# KiCad board lb_mp1.kicad_pcb (continued)
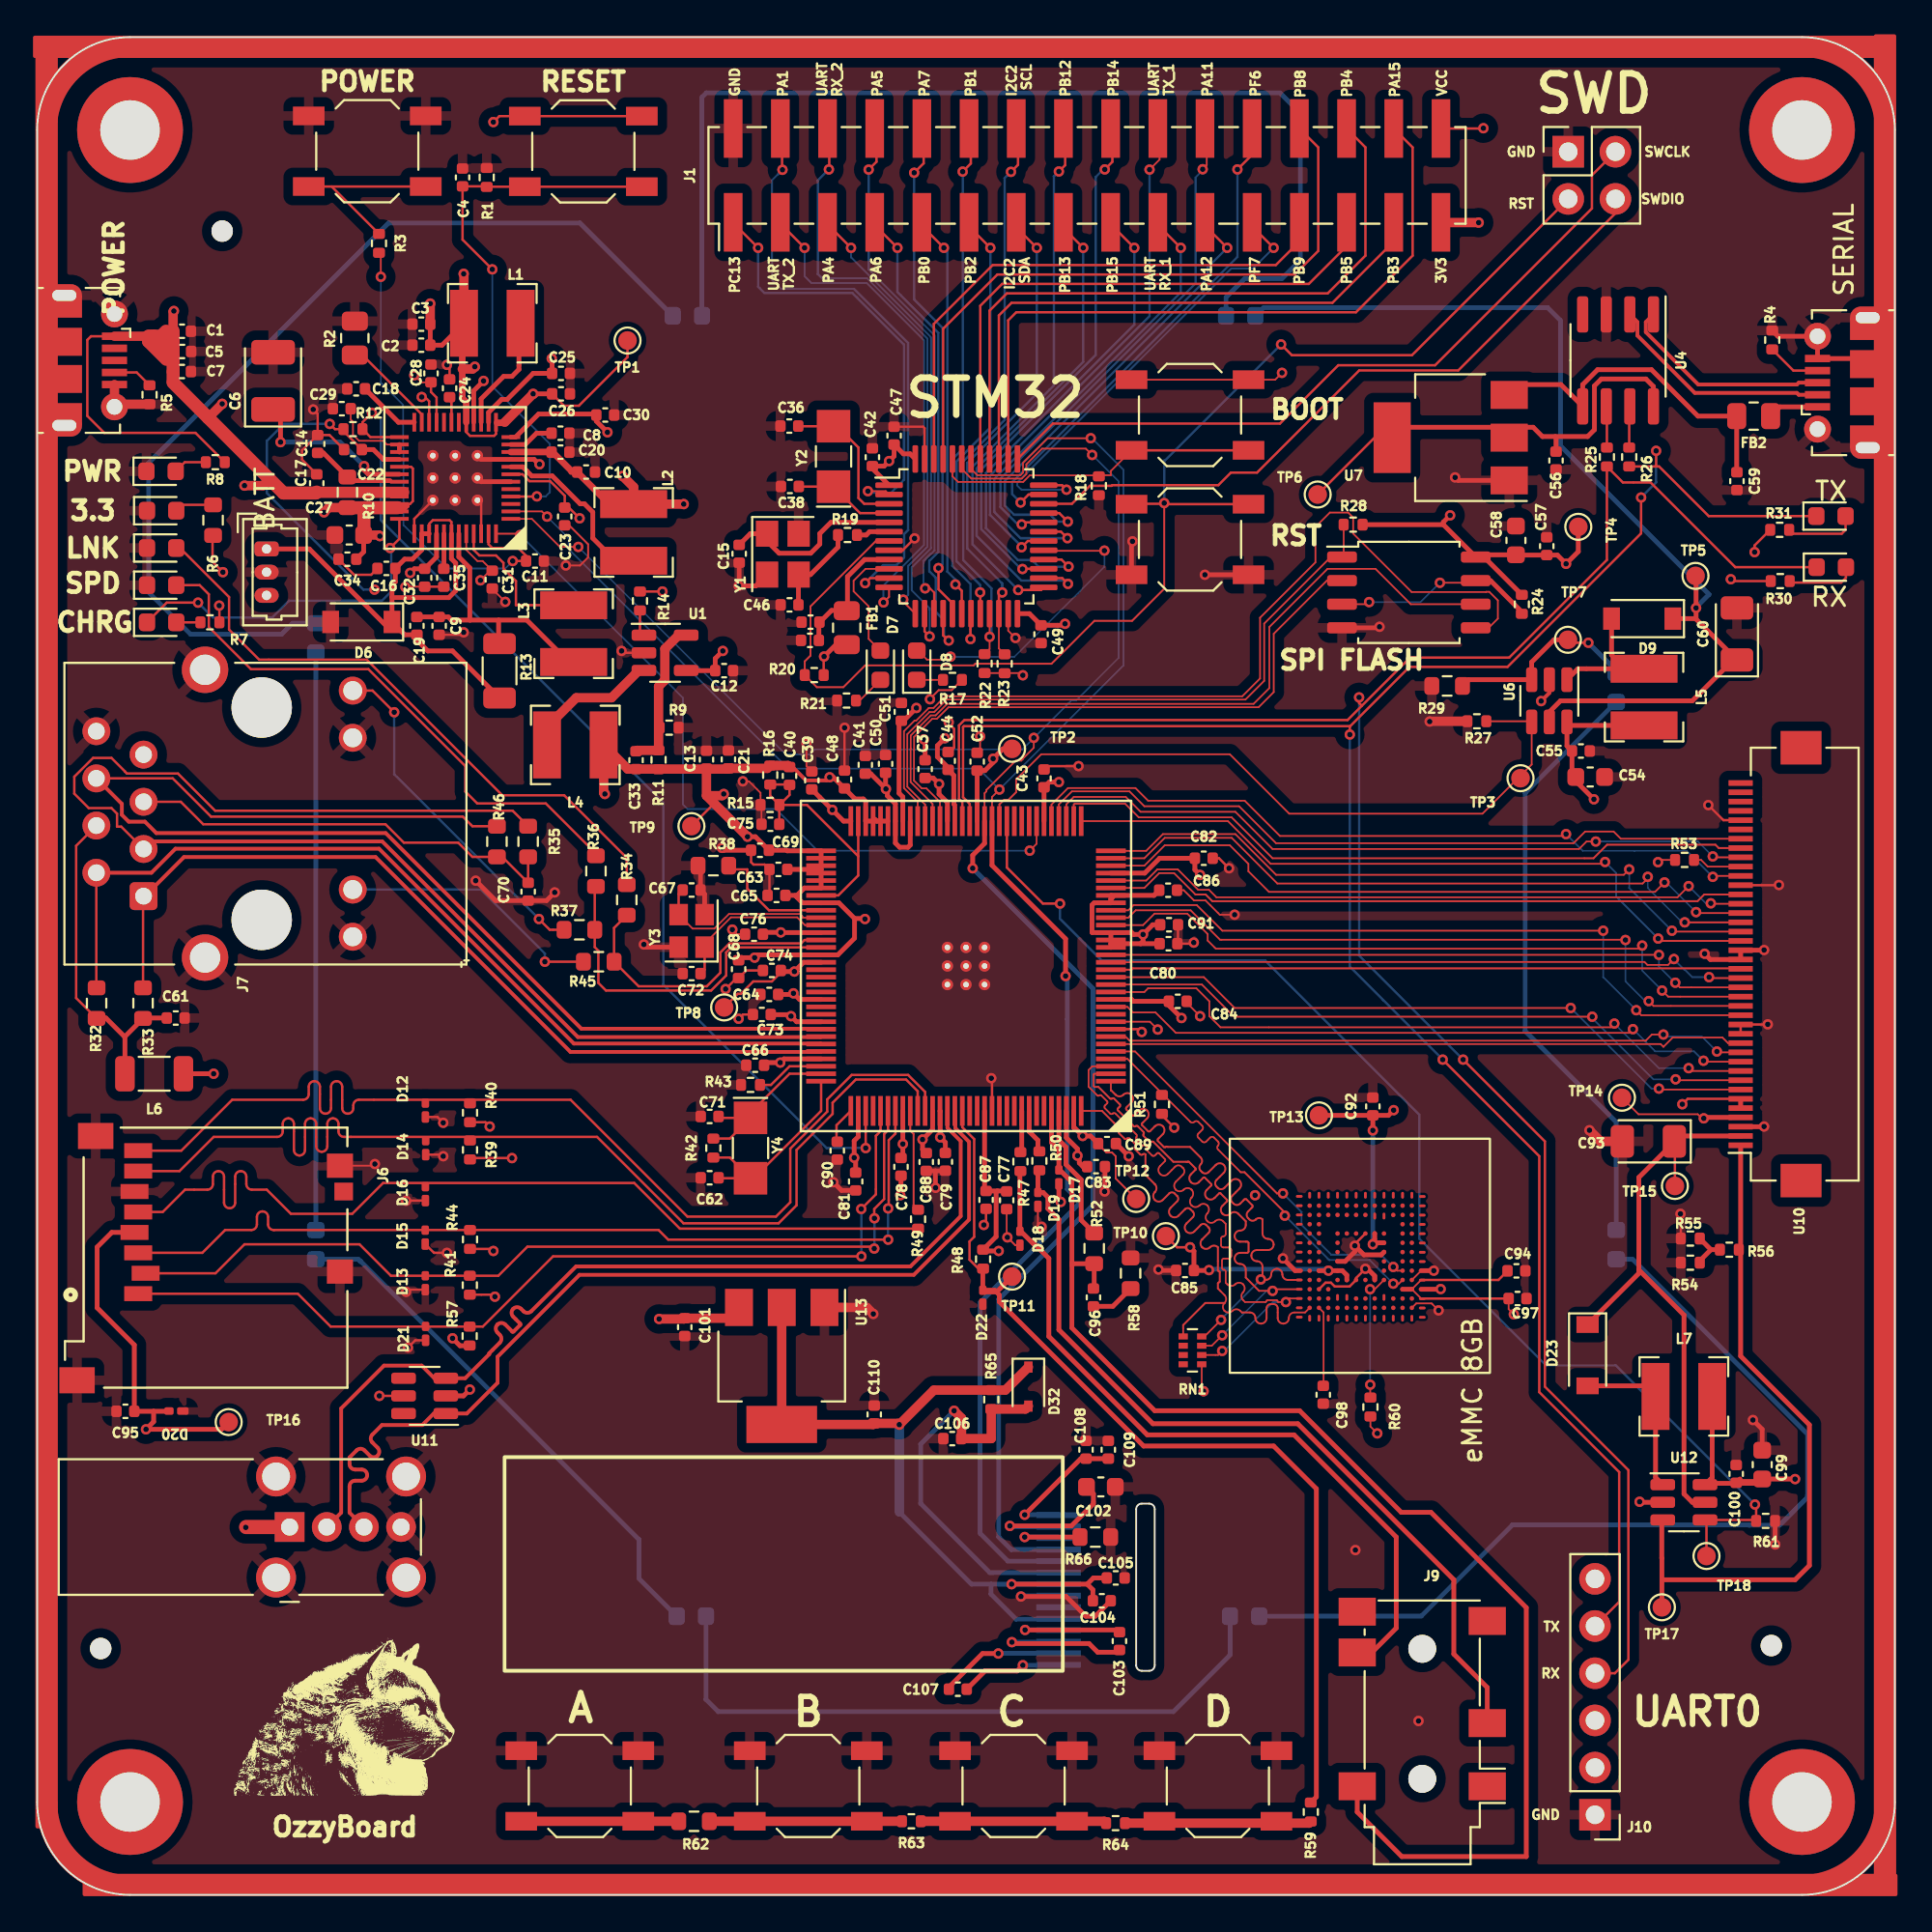
[diagram p0: board, top side]
## Routing (per net, layer and track width the routed paths; a pad name or vN(x,y) marks a point on that pad's centre or on a via; arc(x,y) is an arc through that point) (continued)
VDD: length 68.1
  Top w0.127: C22.2 16.49,78.79 R12.2 16.03,78.9 v1(15.75,79.18)
  Top w0.254: C81.1 44.06,39.6 v1(43.98,39.68) 43.98,40.59 44.2,40.81 U8.98 ; C22.2 18.1,77.8 18.63,77.27 U2.28
  Power plane w0.127: v1(43.98,39.68) 36.74,39.68 18.16,58.26 v1(18.16,70.26)
  Bottom w0.127: v1(18.16,70.26) 17.56,70.26 12.36,75.46 12.36,78.26 13.28,79.18 v1(15.75,79.18)
+BATT: length 30.6
  Top w0.127: U2.42 22.3,73.9 22.2,74 21.3,74 21.1,73.8
  Top w0.254: U2.42 22.3,71.92 22.53,71.69 22.53,70.2 22.16,69.83 19.13,69.83 19.1,69.86 ; 19.1,69.86 19.1,70.5 19.28,70.68 C16.1 19.78,71.9 20.2,71.9 20.7,72.4 U2.38 U2.39 ; 19.1,69.86 D6.1 19.79,67.83 C19.1 20.44,67.55 21.03,66.96 22.36,66.96 R13.2 ; 18.8,68.3 14.65,72.45 J3.1
+VDC: length 40.9
  Top w0.127: J4.1 2.9,83.9 2.7,83.7 2.7,79.61 3.61,78.7 8.52,78.7 R8.1
  Top w0.5: v1(7.36,85.26) 7.32,85.22 C1.1 ; 9.21,79.51 v1(9.96,80.26) ; J4.1 6,83.9 ; 12.51,76.21 12.16,75.86 v1(11.16,75.86) ; 7.32,81.4 7.32,81.46
  Top w0.6: 15.09,75.5 19.73,75.5
  Top w0.7: C1.1 C7.1 7.32,81.46 ; 6.94,84.17 6.67,83.9 6.2,83.9 ; 6.2,83.9 6,83.9 6,83.62 6.96,82.66 ; 6.2,83.9 6.32,83.9 6.96,83.26 ; C17.2 15,75.46 13.26,75.46 7.32,81.4
/Connections/EPHY-RXN: length 67.6
  Top w0.127: 24.75,57.52 23.43,57.52 22.92,58.04 9.36,58.04 7.3,60.1 J7.6
  Top w0.2: J7.6 4.56,58.73 4.56,58.14 4.93,57.77 5.8,57.77 6.41,57.16 18.76,57.16 29.29,46.63 42.17,46.63 U8.89
/Connections/EPHY-RXP: length 73.7
  Top w0.127: J7.3 4.53,57.5 4.3,57.5 4.3,58.2 4,58.5 2.78,58.5 2,59.28 2,60.19 3.01,61.2 4,61.2 4.72,60.48 4.72,60.47 4.83,60.36 7.58,60.36 9.58,58.36 25.59,58.36 26.43,57.52
  Top w0.2: U8.90 42.17,46.17 29.11,46.17 18.58,56.7 6.13,56.7 J7.3
/Connections/EPHY-TXN: length 50.1
  Top w0.127: J7.2 3.19,48.84 R32.2
  Top w0.2: U8.91 42.17,45.83 28.89,45.83 18.4,56.31 7.45,56.31 6.15,55.02 J7.2
/Connections/EPHY-TXP: length 46.6
  Top w0.09: J7.1 5.8,53.76
  Top w0.127: R33.2 5.7,53.73 J7.1
  Top w0.2: U8.92 42.17,45.37 28.71,45.37 18.22,55.86 7.91,55.86 5.8,53.76
/Connections/UD+: length 11.6
  Top w0.2: J5.3 94.82,81.4 94.72,81.3 89.42,81.3 86.6,84.12 86.6,84.67 U4.1
/Connections/UD-: length 12.3
  Top w0.2: 85.74,85.07 86.14,84.67 86.14,83.94 89.23,80.85 94.72,80.85 94.82,80.75 J5.2
/Connections/USB-D+: length 52.6
  Top w0.2: U8.111 49.43,42.17 49.43,41.27 50.16,40.53 50.16,36.35 47.19,33.38 29.19,33.38 24.78,28.97 24.78,27.56 23.13,25.91 U11.1 21.35,25.91 20.73,25.29 18.56,25.29 18.05,24.77 arc(17.96,24.56) 18.05,24.35 18.33,24.07 arc(18.42,23.86) 18.33,23.64 arc(18.12,23.56) 17.9,23.64 17.62,23.93 arc(17.41,24.01) 17.2,23.93 16.82,23.55 16.82,23.2 arc(16.9,22.98) 17.12,22.9 17.47,22.9 arc(17.68,22.81) 17.77,22.6 arc(17.68,22.38) 17.47,22.3 17.12,22.3 arc(16.9,22.21) 16.82,22 16.82,20.57 J8.3
/Connections/USB-D-: length 53.4
  Top w0.2: U8.110 49,41.29 49.72,40.57 49.72,36.53 47.01,33.83 29.01,33.83 26.6,31.42 arc(26.39,31.33) 26.18,31.42 26.05,31.55 arc(25.84,31.64) 25.62,31.55 arc(25.54,31.34) 25.62,31.12 26,30.75 arc(26.01,30.71) 26,30.68 25.65,30.32 arc(25.61,30.31) 25.58,30.32 25.2,30.7 arc(24.99,30.79) 24.78,30.7 arc(24.69,30.49) 24.78,30.27 24.9,30.15 arc(24.99,29.93) 24.9,29.72 24.34,29.15 24.34,29.1 23.04,27.81 U11.3 21.38,27.81 20.7,28.49 18.67,28.49 16.36,26.18 16.36,20.57 J8.2
/STM32/PA1: length 32.8
  Top w0.127: v1(40.12,92.86) 40.1,92.88 40.1,95.06 ; U3.11 44.84,70.88 v1(44.57,70.61)
  Bottom w0.1: 39.86,92.6 39.56,92.3 39.56,86.93 40.04,86.45 43.97,86.45
  Bottom w0.127: v1(44.57,70.61) 45.54,71.58 46.26,71.58 46.67,71.99 46.67,73.25 46.88,73.46 46.88,83.54 43.97,86.45 ; 39.86,92.6 v1(40.12,92.86)
/STM32/PA4: length 26.7
  Top w0.127: v1(48.04,67.74) 47.77,68.01 U3.14 ; 42.64,90 42.64,89.83 v1(43.81,88.66)
  Bottom w0.1: v1(48.04,67.74) 48.04,69.26 47.08,70.22 47.08,71.46 48.12,72.49 48.12,83.85 43.81,88.15 v1(43.81,88.66)
/STM32/PA5: length 28.5
  Top w0.1: v1(47.8,70.33) 48.06,70.33 48.29,70.1
  Top w0.127: 48.29,70.1 48.29,68.99 U3.15 ; v1(44.76,92.87) 45.18,93.29 45.18,95.06
  Bottom w0.1: 47.7,70.43 v1(47.8,70.33) 47.71,70.42 47.71,71.8 ; 44.76,87.49 48.31,83.94 48.31,72.38 48.11,72.18 48.09,72.18
  Bottom w0.127: 44.76,87.49 v1(44.76,92.87) ; 47.71,71.8 48.09,72.18
/STM32/PA6: length 26.1
  Top w0.127: v1(49.07,67.52) 49.05,67.52 48.77,67.8 U3.16 ; v1(46.31,88.66) 45.18,89.79 45.18,90
  Bottom w0.127: v1(46.31,88.66) 46.31,86.28 48.51,84.08 48.51,72.29 48.03,71.81 48.03,71.24 48.37,70.9 48.37,69.06 48.81,68.62 48.81,67.78 v1(49.07,67.52)
/STM32/PA7: length 27.3
  Top w0.127: v1(47.21,92.7) 47.72,93.21 47.72,95.06 ; v1(48.52,71.42) 48.52,70.28 49.27,69.53 U3.17
  Bottom w0.127: v1(47.21,92.7) 47.21,85.88 48.73,84.36 48.73,71.63 v1(48.52,71.42)
/STM32/PA11: length 27.7
  Top w0.09: 62.96,95.06 62.96,93.11 v1(62.74,92.89)
  Top w0.127: U3.32 53.11,73.88 v1(53,73.77)
  Bottom w0.09: 52.78,73.77 v1(53,73.77) ; v1(62.74,92.89) 62.74,92.83 62.36,92.45
  Bottom w0.127: 62.36,92.45 62.36,86.75 51.85,76.24 51.85,74.7 52.78,73.77
/STM32/PA12: length 25.9
  Top w0.127: 62.96,90 62.96,89.76 v1(64.06,88.66) ; v1(55.48,73.92) 55.02,74.38 U3.33
  Bottom w0.127: v1(55.48,73.92) 54.91,73.92 54.54,74.29 52.59,74.29 52.09,74.79 52.09,76.11 63.01,87.03 63.01,87.61 v1(64.06,88.66)
/STM32/PA15: length 37.9
  Top w0.127: U3.38 52.27,84.76 52.71,85.19 70.99,85.19 74.04,88.24 74.04,94.07 J1.30
/STM32/PB0: length 21.9
  Top w0.127: v1(49.43,70.54) 49.77,70.2 U3.18 ; v1(48.81,88.66) 47.72,89.75 47.72,90
  Bottom w0.127: v1(49.43,70.54) 49.43,70.8 48.99,71.24 48.99,88.48 v1(48.81,88.66)
/STM32/PB1: length 29.6
  Top w0.127: v1(49.82,92.76) 50.26,93.2 50.26,95.06 ; 50.24,68.94 v1(50.24,67.6)
  Bottom w0.127: v1(50.24,67.6) 50.24,70.56 49.27,71.53 49.27,77.28 49.82,77.83 v1(49.82,92.76)
/STM32/PB2: length 22.8
  Top w0.127: v1(51.31,88.66) 50.26,89.71 50.26,90 ; v1(50.76,70.11) 50.77,70.1 U3.20
  Bottom w0.127: v1(50.76,70.11) 50.76,70.52 49.49,71.79 49.49,77.16 51.31,78.98 v1(51.31,88.66)
/STM32/PB3: length 31.7
  Top w0.127: 73.03,90.03 73.03,89 69.72,85.7 52.45,85.7 51.77,85.02 U3.39
/STM32/PB4: length 36.7
  Top w0.127: J1.28 71.5,94.07 71.5,88.24 69.47,86.21 52.2,86.21 51.27,85.28 U3.40
/STM32/PB5: length 30.6
  Top w0.127: U3.41 50.77,85.54 51.94,86.72 68.45,86.72 70.49,88.75 70.49,90.03
/STM32/PB8: length 35.9
  Top w0.127: J1.26 68.96,94.07 68.96,88.49 67.69,87.22 51.69,87.22 48.77,84.3 U3.45
/STM32/PB9: length 29.8
  Top w0.127: 67.95,90.03 67.95,89 66.68,87.73 51.44,87.73 48.27,84.57 U3.46
/STM32/PB12: length 29.3
  Top w0.127: U3.25 54.04,70.24 v1(52.81,70.24) ; v1(55,92.77) 55.34,93.11 55.34,95.06
  Bottom w0.127: v1(55,92.77) 54.73,92.5 54.73,81.25 50.35,76.88 50.35,72.7 v1(52.81,70.24)
/STM32/PB13: length 27.1
  Top w0.127: v1(56.31,88.66) 55.34,89.63 55.34,90 ; U3.26 55.18,70.88 v1(55.49,70.57)
  Bottom w0.127: v1(56.31,88.66) 56.31,82.53 50.57,76.79 50.57,73.16 52.98,70.75 55.31,70.75 v1(55.49,70.57)
/STM32/PB14: length 28.7
  Top w0.127: v1(53.04,71.37) 53.05,71.38 U3.27 ; v1(57.47,92.88) 57.88,93.29 57.88,95.06
  Bottom w0.127: 57.39,92.88 56.98,92.47 56.98,82.89 50.82,76.73 50.82,73.52 52.97,71.37 v1(53.04,71.37)
/STM32/PB15: length 27
  Top w0.127: U3.28 55.14,71.88 v1(55.52,71.5) ; v1(59.06,88.66) 57.88,89.84 57.88,90
  Bottom w0.127: v1(59.06,88.66) 59.06,84.52 51.07,76.53 51.07,73.57 52.79,71.86 53.54,71.86 53.9,71.5 v1(55.52,71.5)
/STM32/PC13: length 23.8
  Top w0.1: U3.2 45.68,75.56 v1(44.72,75.56)
  Top w0.127: 37.56,89.91 v1(38.81,88.66)
  Bottom w0.1: v1(44.72,75.56) 44.81,75.47 45.96,75.47
  Bottom w0.127: 45.96,75.47 46.67,76.18 46.67,83.45 43.88,86.23 39.15,86.23 38.81,86.57 v1(38.81,88.66)
/STM32/PF6: length 27.1
  Top w0.127: v1(64.61,92.88) 65.5,93.77 65.5,95.06 ; U3.35 53.37,75.38 v1(52.94,74.95)
  Bottom w0.127: v1(52.94,74.95) 52.49,75.4 52.49,76.05 64.61,88.17 v1(64.61,92.88)
/STM32/PF7: length 25.1
  Top w0.127: v1(66.56,88.66) 65.5,89.72 65.5,90 ; U3.36 55.17,75.88 v1(55.41,75.64)
  Bottom w0.1: v1(66.56,88.66) 65.45,87.55 64.27,87.55 52.76,76.03 52.76,75.86 52.98,75.64 v1(55.41,75.64)
ACT_LED: length 6.5
  Top w0.09: D7.2 44.76,67.61 44.76,69.36 43.95,70.17 43.95,70.74 44.59,71.38 U3.10
I2C2_SCL: length 31.5
  Top w0.09: R22.1 51.27,67.06 v1(51.27,67.72) U3.21
  Top w0.127: 52.8,95.06 52.8,93.13 v1(52.42,92.75)
  Bottom w0.127: v1(51.27,67.72) 51.37,67.82 51.37,70.33 49.85,71.85 49.85,77.17 52.08,79.4 52.08,92.41 v1(52.42,92.75)
I2C2_SDA: length 26.2
  Top w0.09: R23.1 51.77,67.09 U3.22
  Top w0.127: U3.22 51.77,69.93 v1(51.95,70.11) ; 52.8,90 52.8,89.67 v1(53.81,88.66)
  Bottom w0.127: v1(53.81,88.66) 53.81,80.82 50.07,77.08 50.07,72.47 51.95,70.59 v1(51.95,70.11)
LADC: length 52.2
  Top w0.127: 51.7,32.39 51.06,32.39 D22.1 ; 51.7,32.39 51.8,32.3 ; 51.7,32.39 51.7,32.5 ; U8.112 49.8,41.32 50.44,40.68 50.44,35.42 50.19,35.17 50.19,34.19 50.67,33.71 R48.2
  Top w0.254: 51.7,32.5 TP11.1 ; R59.1 68.86,5.27 68.86,21.86 66.56,24.16 59.56,24.16 51.8,31.92 51.8,32.3 ; 51.75,32.34 51.55,32.55 D22.1 50.91,33.69 R48.2
LNK_LED: length 16.2
  Top w0.127: U8.77 41.31,51.4 41.13,51.22 37.27,51.22 36.78,50.73 36.78,49.64 36.05,48.91 32.38,48.91 31.06,50.23 31.06,52.05 R34.2
N_Oe: length 30.3
  Top w0.09: 24.17,91.97 R1.2 24.21,91.95
  Top w0.127: v1(24.5,87.5) 22.9,89.1 C4.2 24.17,91.97 ; SW1.1 SW1.1 24.21,91.95 ; v1(26.9,75.28) 26.89,75.27 U2.4
  Bottom w0.09: v1(24.5,87.5) 24.5,81.2
  Bottom w0.1: 24.5,81.2 27.6,78.1 27.6,75.5 27.38,75.28 v1(26.9,75.28)
NMI: length 40.9
  Top w0.09: v1(53.43,56.21) 53.8,56.58 U8.39 ; v1(26,73.2) 25.93,73.27 U2.48
  Bottom w0.09: v1(53.43,56.21) 42,56.21 39.76,58.45 35.01,58.45 34.76,58.7 34.76,64.44 v1(26,73.2)
NRST: length 72.6
  Top w0.1: v1(60.67,74.92) 60.67,70.31 58.94,68.58 56.91,68.58 54.6,66.27 50.5,66.27 50.41,66.18 44.57,66.18 43.4,65.01 41.97,65.01 R20.1 41.32,66.4 41.63,66.71 41.63,69.36 45.15,72.88 U3.7
  Top w0.127: v1(66.96,83.46) 67.54,82.88 74.01,82.88 J2.3 ; SW3.1 60.73,74.86 v1(60.67,74.92) 60.63,74.88 58.94,74.88
  Bottom w0.09: 60.67,77.22 60.72,77.22
  Bottom w0.127: 60.72,77.22 v1(66.96,83.46) ; 60.67,77.22 v1(60.67,74.92)
OSC32_IN: length 8.5
  Top w0.127: Y2.2 40.98,79.05 C36.1 ; Y2.2 43.06,79.05 44.21,77.91 44.21,75.19 44.52,74.88 U3.3 ; Y2.2 43.12,79.05
OSC32_OUT: length 5.5
  Top w0.127: C38.1 41.01,75.8 Y2.1 44.3,74.38 U3.4
OSC_IN: length 10
  Top w0.254: C15.1 38.39,73.27 Y1.1 39.29,72.87 39.94,72.22 41.64,72.22 42.13,72.71 42.13,73.28 42.73,73.88 U3.5
OSC_OUT: length 1.8
  Top w0.254: U3.6 44.81,73.38 44.63,73.2 R19.2
PWM0: length 66.9
  Top w0.127: 92.48,20.18 U12.4 89.86,20.1 TP18.1 ; R61.1 92.53,20.95 v1(92.47,21.01) ; v1(55.06,53.36) 54.14,53.36 52.2,55.3 U8.43
  Bottom w0.127: v1(92.47,21.01) 84.98,28.5 81.23,28.5 74.4,35.33 74.4,42 66.1,50.3 57.3,50.3 55.06,52.54 v1(55.06,53.36)
PWM1: length 38.2
  Top w0.09: R27.1 80.41,63.17 U6.4 80.45,60.85 77.8,58.2 67.4,58.2 64.2,61.4 54.05,61.4 52.7,60.05
  Top w0.1: 52.7,60.05 52.7,59.36 52.28,58.94 52.04,58.94 51.8,58.7 U8.44
PWM_CH1: length 16.5
  Top w0.09: v1(49.17,66.65) 49.01,66.49 47.9,66.49 47.41,66.98 D8.2 ; v1(57.45,72.36) 57.44,72.35 54.21,72.35 U3.29
  Bottom w0.09: v1(49.17,66.65) 49.17,66.64 52.6,66.64 57.45,71.49 v1(57.45,72.36)
Pwron: length 26
  Top w0.09: R3.2 18.5,88.29 v1(18.5,87.1)
  Top w0.127: U2.47 24.3,72.7 24.5,72.5 25.9,72.5 26.32,72.08 C11.2 v1(25.6,71.8)
  Bottom w0.09: v1(25.6,71.8) 25.2,71.4 22.05,71.4 19.72,73.73 19.72,77.88 ; v1(18.5,87.1) 18.5,81.4 19.7,80.2 19.7,77.9
reset: length 57.2
  Top w0.127: U2.25 17.94,78.47 R12.1 17.51,79.27 v1(18.02,79.78) ; v1(44.6,40.2) U8.99
  Bottom w0.127: v1(18.02,79.78) 18.19,79.78 18.5,79.47 18.5,74 33.7,58.8 33.7,49 42.5,40.2 v1(44.6,40.2)
scl: length 112.8
  Top w0.09: v1(51.8,59.5) 51.4,59.1 U8.45 ; U2.2 27.17,74.47 27.45,74.19 v1(27.45,74.19) ; v1(56.71,78.41) 54.4,78.41 53.07,77.08 53.07,76.56 52.93,76.42 50.61,76.42 50.27,76.76 U3.42
  Top w0.254: v1(55.36,49.46) 55.36,51.46 51.4,55.42 U8.45
  Bottom w0.09: v1(56.71,78.41) 56.78,78.41 58.48,76.71 58.48,66.18 v1(51.8,59.5) 50.67,60.63 40.43,60.63 28.61,72.45 28.61,73.03 v1(27.45,74.19)
  Bottom w0.254: v1(55.36,49.46) 55.45,49.37 55.45,37.99 56.16,37.28 50.76,31.88 50.76,19.46 52.25,17.97 U14.10
sda: length 113.4
  Top w0.09: v1(56.79,77.51) 56.45,77.85 54.09,77.85 53.25,77.01 53.25,76.48 53.01,76.24 50.29,76.24 49.77,76.76 U3.43 ; U8.46 51,59.3 51.1,59.4 51.1,59.48 52.68,61.05 52.97,61.05 53.05,61.13 53.05,61.15 53.65,61.75 v1(53.65,62.28) ; v1(29.13,72.56) 28.14,72.56 26.63,74.07 U2.1
  Top w0.254: U8.46 51,56.6 50.36,55.96 v1(50.36,55.26)
  Bottom w0.09: v1(56.79,77.51) 56.8,77.51 58.22,76.09 58.22,66.59 55.94,64.3 55.68,64.3 v1(53.65,62.28) 53.03,61.66 41.86,61.66 41.58,61.38 40.31,61.38 v1(29.13,72.56)
  Bottom w0.254: v1(50.36,55.26) 56.83,48.79 56.83,37.13 51.76,32.06 51.76,19.26 52.44,18.59 54.98,18.59
SPD__LED: length 19.1
  Top w0.127: U8.78 37.36,51 37.09,50.73 37.09,49.49 36.28,48.68 30.62,48.68 30.21,49.09 30.21,50.82 30.02,51.02 30.02,54.22 R36.2
SWCLK: length 40.1
  Top w0.127: J2.2 83.69,92.57 83.69,90.78 75.25,82.34 70.04,82.34 66.9,79.2 54.68,79.2 U3.37
SWDIO: length 38
  Top w0.127: J2.4 84.96,90.52 76.5,82.06 71.17,82.06 65.67,76.56 64.26,76.56 63.58,75.88 57.87,75.88 57.84,75.85 56.67,75.85 55.7,74.88 U3.34
USART1_RX: length 57.2
  Top w0.09: U8.9 59.9,47 v1(60.32,46.58)
  Top w0.127: v1(61.56,88.66) 60.42,89.8 60.42,90 ; U3.31 55.11,73.38 v1(55.46,73.03)
  Ground plance w0.09: v1(55.46,73.03) 60.1,68.39 60.1,46.6
  Bottom w0.127: v1(61.56,88.66) 61.56,86.26 51.53,76.23 51.53,74.44 52.94,73.03 v1(55.46,73.03)
USART1_TX: length 60
  Top w0.09: v1(59.88,92.87) 60.42,93.41 60.42,95.06
  Top w0.127: v1(52.99,72.54) 53.33,72.88 U3.30 ; v1(59.46,46.45) 59.31,46.6 U8.8
  Ground plance w0.09: 59.3,46.6 59.06,46.84 59.06,68.89 55.41,72.54 v1(52.99,72.54)
  Bottom w0.09: 52.99,72.58 v1(52.99,72.54)
  Bottom w0.127: 52.99,72.58 51.29,74.28 51.29,76.39 59.88,84.98 v1(59.88,92.87)
USART2_RX: length 31
  Top w0.1: U3.13 46.62,69.62 v1(46.62,69.72)
  Top w0.127: 42.64,95.06 42.64,92.9 v1(42.62,92.88)
  Bottom w0.1: v1(46.62,69.72) 46.89,69.99 46.89,71.54 47.18,71.83 47.19,71.83 47.93,72.57 47.93,83.77 44.67,87.02 42.25,87.02
  Bottom w0.127: v1(42.62,92.88) 42.02,92.28 42.02,87.25 42.25,87.02
USART2_TX: length 27.2
  Top w0.1: U3.12 45.86,69.87 v1(45.56,69.57)
  Top w0.127: v1(41.31,88.66) 40.1,89.87 40.1,90
  Bottom w0.1: v1(45.56,69.57) 45.56,70.48 47.74,72.66 47.74,83.69 44.65,86.77 41.67,86.77 41.31,87.13 v1(41.31,88.66)
Net-(C6-Pad1): length 9.2
  Top w0.254: U2.30 17.83,76.47 17.6,76.7 v1(17.6,76.91) ; v1(13.1,78.2) 13.1,79.56 C6.1
  Bottom w0.254: v1(13.1,78.2) 16.31,78.2 v1(17.6,76.91)
Net-(C8-Pad1): length 2.4
  Top w0.254: U2.11 26.27,78.07 26.88,78.68 C8.1
Net-(C14-Pad1): length 4.5
  Top w0.254: 18.99,76.13 16.9,76.13 R10.2 15.41,77.62 C14.1
Net-(C18-Pad2): length 3.4
  Top w0.254: U2.24 19.45,79.27 C18.2
Net-(C19-Pad2): length 15.6
  Top w0.254: L3.2 28.62,66.36 26.36,68.62 24.84,68.62 ; 24.84,68.62 24.84,67.4 R13.1 ; 24.84,68.62 23.3,68.62 ; C19.2 C9.1 22.13,68.79 22.3,68.62 23.3,68.62 ; 23.3,68.62 23.29,68.63 23.29,71.43 22.7,72.02 U2.43
Net-(C24-Pad2): length 2.7
  Top w0.09: 22.1,80.52 22.3,80.32 U2.19
  Top w0.127: U2.19 22.3,80.52 C24.2
Net-(C29-Pad1): length 4.6
  Top w0.09: C29.1 16.88,79.42 17,79.3 17,78.6 17.33,78.27 18.63,78.27 18.83,78.07 U2.26
  Top w0.254: U2.27 U2.26
Net-(C32-Pad2): length 1.9
  Top w0.254: C32.2 21.9,71.39 U2.41
Net-(C33-Pad2): length 8.3
  Top w0.5: U1.5 34.53,67.81 33.79,67.07 33.79,65.39 33.45,65.05 R11.2 32.29,61.61 C33.2
Net-(C40-Pad2): length 15.5
  Top w0.127: R15.1 41.44,58.67 44.2,55.91 ; R15.1 40.5,59.21 C40.2 40.48,59.77 R16.2 39.46,59.17 R15.1 ; R15.1 39.95,58.66 C75.1 ; 44.2,55.91 U8.63 ; 44.2,55.91 44.2,54.87 43.13,53.8 U8.71
Net-(C46-Pad1): length 5
  Top w0.254: C46.1 40.98,71.06 Y1.3 41.63,71.07 43.11,72.55 R19.1
Net-(C56-Pad1): length 24.5
  Top w0.127: 72.95,79 72.55,79 TP6.1
  Top w0.254: 72.95,79 80.53,79 81.03,78.5 81.72,78.5 ; C56.1 81.76,78.46 81.72,78.5 ; 81.72,78.5 83.46,78.5 83.83,78.87 83.83,81.23 84.2,81.6 86.6,81.6 87,81.19 U4.8
Net-(C59-Pad1): length 18.3
  Top w0.254: 79.25,81.3 82.02,81.3 U4.5 83.19,81.3 84,82.1 86.9,82.1 89.4,79.6 FB2.2 91.49,76.59 C59.1
Net-(C60-Pad1): length 54.5
  Top w0.254: U6.5 81.4,63.67 82,64.27 89.1,64.27 91.3,66.47 C60.1 89.3,68.67 ; TP5.1 89.3,70.97 v1(89.3,69.27) 89.3,68.67 ; 89.3,68.67 89.28,68.7 D9.1
  Bottom w0.254: D24.2 66.02,85.44 81.31,85.44 82,84.75 82,78 90,70 89.3,69.3 v1(89.3,69.27)
Net-(C61-Pad1): length 17.7
  Top w0.127: J7.4 2.1,56.47 2.1,48.27 R32.1
  Top w0.254: 6.82,47.2 5.73,47.2 R33.1 4.73,46.2 ; L6.2 4.73,46.2 ; 4.73,46.2 4.7,46.2 3.7,47.2 3.23,47.2 R32.1
Net-(C62-Pad1): length 11.1
  Top w0.127: Y4.2 38.57,38.58 42.2,42.2 U8.96 ; Y4.2 37.28,39.69 R42.1 ; Y4.2 36.71,38.58 C62.1
Net-(C67-Pad1): length 9.8
  Top w0.09: Y3.3 35.28,52.01 36.45,52.01 37.24,52.8 41.06,52.8 41.19,52.67 41.19,52.6 U8.74
  Top w0.127: C67.1 34.53,53.87 Y3.3
Net-(C70-Pad1): length 23.9
  Top w0.127: J7.5 7.73,58.84 8.94,57.63 18.75,57.63 19.74,56.64 22.67,56.64 23.43,55.88 25.03,55.88 C70.1 R35.2
Net-(C71-Pad1): length 9.2
  Top w0.127: U8.95 40.5,44.2 38.4,42.1 Y4.1 ; Y4.1 36.75,41.83 C71.1 ; Y4.1 37.28,40.71 R42.2
Net-(C72-Pad1): length 8.7
  Top w0.09: U8.75 41.33,52.2 40.91,52.62 37.35,52.62 35.93,51.2 Y3.1
  Top w0.127: Y3.1 35.93,49.81 C72.1
Net-(C90-Pad2): length 2
  Top w0.127: C90.2 43.03,40.58 43.03,41.43 U8.97
Net-(C93-Pad1): length 32.3
  Top w0.127: C93.1 88.16,40.53 TP15.1
  Top w0.254: U12.5 89.1,21.13 88.65,21.58 88.65,31.21 86.22,33.64 ; D23.1 86.22,33.46 86.22,33.64 ; 86.22,33.64 86.22,38.62 88.45,40.85 U10.2
Net-(C96-Pad1): length 2.4
  Top w0.254: R58.2 57.91,31.68 C96.1
Net-(C96-Pad2): length 70.4
  Top w0.254: 55.7,34.02 55.7,38.37 55.05,39.02 D17.1 55,40.1 54.6,40.5 U8.124 ; 55.7,34.02 55.7,33.9 55.78,33.97 R52.1 56.9,32.68 C96.2 ; 55.7,34.02 55.7,30.52 60.16,26.06 67.96,26.06 73.43,20.59 75.03,20.59 80.16,15.46 80.16,2.06 73.46,2.06 71.06,4.46 J9.2
Net-(C98-Pad1): length 4.4
  Top w0.09: U9.C2 69.25,31.35 69.25,27.63 69,27.38
Net-(C102-Pad2): length 8.7
  Top w0.254: C102.2 56.86,21.58 56.86,21.05 55.67,19.86 v1(52.36,19.86)
  Bottom w0.254: U14.13 52.4,19.83 v1(52.36,19.86)
Net-(C103-Pad1): length 6.9
  Top w0.254: v1(53.18,14.26) 58.14,14.26 C103.1
  Bottom w0.254: v1(53.18,14.26) 54.97,14.26 U14.4
Net-(C103-Pad2): length 8.6
  Top w0.254: v1(52.47,13.6) 52.54,13.53 56.62,13.53 57.09,13.06 58.14,13.06 C103.2
  Bottom w0.254: v1(52.47,13.6) 54.96,13.6 U14.3
Net-(C104-Pad1): length 46.9
  Top w0.254: 56.53,16.72 56.86,17.06 C105.1 ; 56.53,16.72 56.83,16.42 C104.1 ; 56.53,16.72 v1(52.46,16.72) ; C110.2 44.99,25.31
  Top w0.5: U13.2 U13.2 45,25.32 C110.2 46.34,25.38 v1(46.41,25.31) 48.27,27.17 R65.1 52.12,27.17 D32.1
  Bottom w0.254: U14.8 v1(52.46,16.72) 51.34,16.72 ; 51.34,16.72 51.34,16.19 52.69,14.84 54.96,14.84 U14.5 ; 51.34,16.72 50.3,16.72 46.41,20.61
  Bottom w0.5: 46.41,20.61 v1(46.41,25.31)
Net-(C106-Pad2): length 21.7
  Top w0.5: D32.2 53.2,26.15 R65.2 51.36,24.56 C106.2 49.76,24.58 49.76,25.66 v1(49.36,26.06)
  Bottom w0.254: U14.9 51.28,17.34 47.56,21.06 47.56,24.26 v1(49.36,26.06)
Net-(C107-Pad1): length 6.8
  Top w0.254: C107.1 49.08,11.18 50.89,12.99 v1(51.74,12.99)
  Bottom w0.254: U14.2 51.75,13 v1(51.74,12.99)
Net-(C107-Pad2): length 5.5
  Top w0.254: C107.2 51.02,12.05 52.75,12.05 v1(53.06,12.36)
  Bottom w0.254: U14.1 54.96,12.36 v1(53.06,12.36)
Net-(C108-Pad1): length 7.6
  Top w0.254: C109.2 56.18,23.48 v1(53.16,20.46)
  Bottom w0.254: v1(53.16,20.46) 54.97,20.46
Net-(D1-Pad1): length 18.6
  Top w0.127: D1.1 6.97,69.56 v1(8.66,69.56) ; v1(19,72.5) 19.5,73 U2.36
  Bottom w0.127: v1(8.66,69.56) 9.46,68.76 12.66,68.76 13.56,69.66 18.56,69.66 19.06,70.16 19.06,72.44 v1(19,72.5)
Net-(D1-Pad2): length 1.3
  Top w0.127: R7.2 D1.2
Net-(D2-Pad2): length 2.1
  Top w0.127: D2.2 7.8,74.83 R6.1
Net-(D3-Pad2): length 1.8
  Top w0.127: R8.2 7.95,77.12 D3.2
Net-(D4-Pad2): length 30.5
  Top w0.127: D4.2 8.75,70.5 9.24,70.01 9.24,68.25 11.51,65.98 17.83,65.98 23.05,60.76 23.05,59.39 23.69,58.75 27.38,58.75 30.08,56.05 R36.1
Net-(D5-Pad2): length 33.7
  Top w0.127: 31.74,54.38 31.74,55.82 28.37,59.19 25.04,59.19 17.74,66.49 11.95,66.49 10.33,68.11 10.33,69.86 7.49,72.7
Net-(D7-Pad1): length 1.8
  Top w0.09: R21.1 44.28,64.29 D7.1
Net-(D8-Pad1): length 1.4
  Top w0.09: R17.1 48.76,65.4 D8.1
Net-(D9-Pad2): length 8.4
  Top w0.254: D9.2 84.75,66.75 85.5,66 L5.2 82.94,66 U6.1
Net-(D10-Pad1): length 117.8
  Top w0.127: 87.1,76.89 R26.2 ; 87.1,76.89 87.31,76.89 89.98,74.22 D10.1 ; 87.1,76.89 87.15,76.94 v1(87.15,77.73) ; 70.68,62.91 70.66,62.89 v1(70.66,62.46) ; 70.68,62.91 73.87,66.1 79.15,66.1 86.34,73.29 v1(86.34,75.22) ; 70.68,62.91 49.89,62.91 49.84,62.86 49.84,59.09 50.2,58.73 U8.48 ; J10.5 85.16,15.77 85.16,22.76 80.86,27.06 80.86,39.76 v1(75.66,44.96)
  Bottom w0.127: v1(86.34,75.22) 87.15,76.03 v1(87.15,77.73) ; v1(75.66,44.96) 70.66,49.96 v1(70.66,62.46)
Net-(D10-Pad2): length 4
  Top w0.127: D10.2 97.35,73.48 97.14,73.27 94.52,73.27 R31.2
Net-(D11-Pad1): length 122.8
  Top w0.127: 71.31,64.01 70.54,63.24 49.91,63.24 49.62,62.95 49.62,59 49.8,58.82 U8.49 ; 71.31,64.01 71.16,64.16 v1(71.16,64.46) ; 71.31,64.01 73.9,66.6 79.24,66.6 84.5,71.86 R25.1 85.36,76.03 86.85,76.03 91.41,71.47 D11.1 ; v1(76.76,44.96) 81.16,40.56 81.16,27.36 85.66,22.86 85.66,12.66 84.93,11.93 J10.4
  Bottom w0.127: v1(76.76,44.96) 71.16,50.56 v1(71.16,64.46)
Net-(D11-Pad2): length 3.7
  Top w0.127: R30.2 94.42,70.64 97.11,70.64 97.37,70.9 D11.2